# Altium PCB AEX1_PiOBD_V0.2_ALLPCB_6L.PcbDoc (part 3 of 4)
Units mm, origin at the board's own origin, x right, y up, seen from the top; angles counter-clockwise.
Board outline 130.5 x 65 mm, 6 copper layers (L1, L2(GND), L3, L4(PWR), L5(GND), L6), stack 1.565 mm thick; 307 components, 207 nets, 1196 pads, 423 vias.
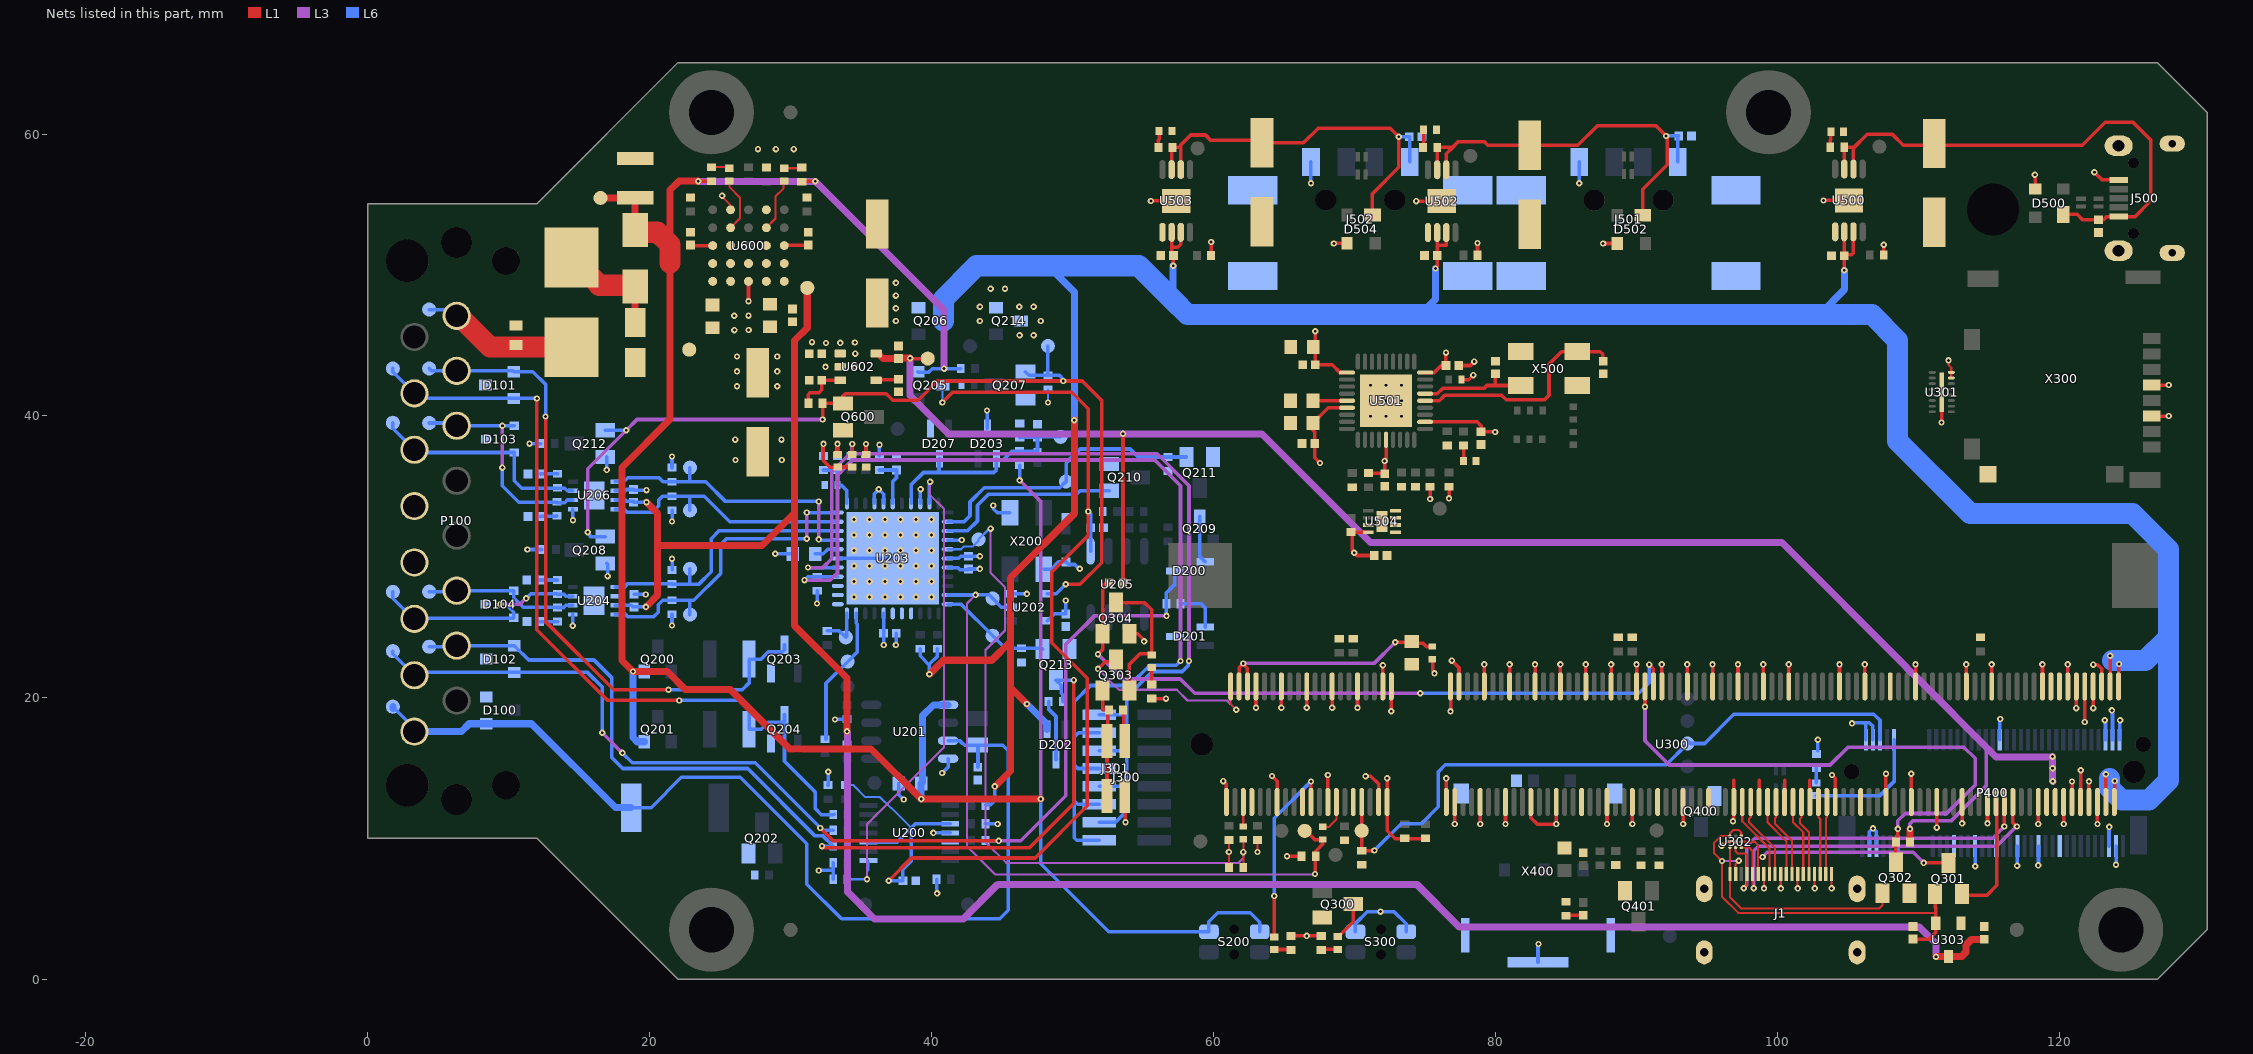
[diagram p7: the nets of this part, all layers, seen from the top]

## Part data (continued)
U501: library part CMP-06097-6, "The USB2534 is a low-power, OEM configurable, MTT (Multi-Transaction Translator) USB 2.0 hub controller with 4 downstream ports and advanced features for embedded USB applications.", Case=SQFN, Manufacturer=MICROCHIP, Manufacturer Part Number=USB2534, Operating Temperature max=85°C, Operating Temperature min=-40°C, Supply Voltage max=3.3V, Assembly=yes, ComponentLink1Description="Manufacturer Link", ComponentLink1URL=https://www.microchip.com/wwwproducts/en/USB2534, Data Rate max=-, Interface Type=HUB-IC, Mounting Type=SMT, No. of USB Ports=4, Supply Voltage min=3.3V, USB Speed Modes=480Mb/s, USB Version=2.0
U504: library part CMP-06143-4, "The AT24C04B/08B provides 4096/8192 bits of serial electrically erasable and programmable read-only memory (EEPROM) organized as 512/1024 words of 8 bits each.", Case=8Y6, Clock Frequency max=1MHz, Manufacturer=MICROCHIP, Manufacturer Part Number=AT24C08C, Operating Temperature max=125°C, Operating Temperature min=-55°C, Supply Voltage max=5.5V, Supply Voltage min=4.5V, Assembly=yes, ComponentLink1Description=Datasheet, ComponentLink1URL=http://ww1.microchip.com/downloads/en/devicedoc/doc5226.pdf, Memory Configuration="512/1024 words of 8 bits", Memory Size="8192 bits", Mounting Type=SMT
U600: library part CMP-2000-06613-1, "Dual Ultrathin Step-Down DC/DC uModule Regulator, 2.5 A, 3.6 to 20 V, -40 to 125 degC, 25-Pin LGA, RoHS, Tray", Current - Output (Max)=2.5A, Manufacturer=LinearTechnology, Operating Temperature=-40°C~125°C, Package / Case=25-LGA, Package Description="25-Pin LGA, Body 6.25 x 6.25 mm, Pitch 1.27 mm", Package Reference=LGA-25, Package Version="Rev. 0, 06/2013", Power (Watts) - Manufacture Series=-, Voltage - Input (Max)=20V, Voltage - Input (Min)=3.6V, Voltage - Output 1=0.6~5.5V, Applications=ITE(Commercial), Category=PowerSupplies-BoardMount, Datasheet URL=http://cds.linear.com/docs/en/datasheet/4622fb.pdf, Datasheet Version="Rev. B, 01/2016", Efficiency=-, Family=DCDCConverters, Features=OCP,OTP,OVP, Manufacturer URL=http://www.linear.com/, Mounting Technology=SurfaceMount, Mounting Type=SurfaceMount, Number of Outputs=1, Package URL=http://www.linear.com/docs/43379, Packaging=Tray, Power (Watts) - Max=-, Series=µModule®, Size / Dimension="0.25\"Lx0.25\"Wx0.07\"H(6.3mmx6.3mmx1.8mm)", Type=Non-IsolatedPoLModule, Voltage - Isolation=-, Voltage - Output 2=-, Voltage - Output 3=-
U602: library part CMP-0395-00289-2, "Single Output Low Noise LDO, 400 mA, Fixed 1.8 V Output, 1.7 to 5.5 V Input, with Reverse Current Protection, 5-pin SOT-23 (DBV), -40 to 85 degC, Green (RoHS & no Sb/Br)", Manufacturer="Texas Instruments", Rating=Catalog, Accuracy(%)=1, Code_JEDEC=MO-178, ComponentLink1Description="Manufacturer URL", ComponentLink1URL=http://www.ti.com/, ComponentLink2Description=Datasheet, ComponentLink2URL=http://www.ti.com/general/docs/lit/getliterature.tsp?genericPartNumber=TPS73618&fileType=pdf, ComponentLink3Description="Package Specification", ComponentLink3URL=http://www.ti.com/litv/pdf/mpds018i, ComponentLink4Description="URL Link1", ComponentLink4URL="Samples URL:http://www.ti.com/product/tps73618#samples", DatasheetVersion=SBVS038T, Eco-Plan="Green (RoHS & no Sb/Br)", Fixed Output Options(V)=1.8, Iout(Max)(A)=0.4, Iq(Typ)(mA)=0.3, Mounting Technology="Surface Mount", PackageDescription="5-Pin Plastic Small Outline, Body 1.60 Ã— 2.90 mm, Pitch 0.95 mm", PackageReference=DBV0005A, PackageVersion=4073253-4/K, PartNumber=TPS73618DBVR, SubFamily="Single Channel LDO", Vdo(Typ)(mV)=75, Vin(Max)(V)=5.5, Vin(Min)(V)=1.7, Vout Adj(Max)(V)=1.8, Vout Adj(Min)(V)=1.8
X200: library part CMP-1688-00003-1, "Ceramic SMD Crystal, 16 MHz, +/- 20 ppm, 50 Ohm, -20 to 70 degC, 4-Pin SMD, RoHS, Tape and Reel", Case/Package=5028, Current Rating="1.82 A", Max Operating Temperature=105degC, Min Operating Temperature=-40degC, Package Quantity=500, Resistance="0.033 Ohm", Tolerance=30%, ComponentLink1Description="Manufacturer URL", ComponentLink1URL=http://www.abracon.com/, ComponentLink2Description=Datasheet, ComponentLink2URL=http://www.abracon.com/Resonators/abm3b.pdf, DatasheetVersion=Aug-15, Height="2.8 mm", Length="0.197 inch", Mount="Surface Mount", PackageDescription="4-Pin Surface Mount Device, Body 5 x 3.2 mm", PackageReference=ABM3B, Packaging="Tape and Reel", REACH SVHC=Unknown, RoHSCompliant=True, Shielding=Shielded, Width="0.197 inch"
X300: library part CMP-00377-6, "1.09mm Pitch, microSD Memory Card Connector, Ultra Low-Profile, Push-Push Type, 1.45mm Height, Anti-card fly-out", Case="microSD Card Connector", Current Rating=500mA, Manufacturer=MOLEX, Manufacturer Part Number=503182-1853, Operating Temperature max=85°C, Operating Temperature min=-25°C, Assembly=yes, ComponentLink1Description=Datasheet, ComponentLink1URL=http://www.deutsch.molex.com/molex/products/datasheet.jsp?part=active/5031821853_MEMORY_CARD_SOCKET.xml, Contact Plating=gold, Memory Type="microSD Card", Mounting Type=SMT, Number of Pins=8, Number of Rows=1, Pitch Spacing=1.09mm
X400: library part CMP-06150-6, "SIM-Kartenleser aufklappbar und sperrfähig", Case=SIM-Kartenhalter, Current Rating=700mA, Manufacturer=JST, Manufacturer Part Number=SCZW-7SA-1K(HF), Operating Temperature max=85°C, Operating Temperature min=-25°C, Assembly=yes, ComponentLink1Description=Datasheet, ComponentLink1URL=http://www.farnell.com/datasheets/2280558.pdf, Memory Type=SIM, Mounting Type=SMT, Number of Pins=11, Number of Rows=5, Pitch Spacing=0mm
X500: library part CMP-1688-00008-1, "Ceramic SMD Crystal, 24 MHz, +/- 20 ppm, 50 Ohm, -20 to 70 degC, 4-Pin SMD, RoHS, Tape and Reel", Frequency="6 Hz", Max Operating Temperature="155 degC", Min Operating Temperature="-40 degC", Package Quantity=2500, ComponentLink1Description="Manufacturer URL", ComponentLink1URL=http://www.abracon.com/, ComponentLink2Description=Datasheet, ComponentLink2URL=http://www.abracon.com/Resonators/abm3b.pdf, Contact Material=Brass, Contact Plating=Gold, DatasheetVersion=Aug-15, Fastening Type=Snap, Height="1.244 mm", Impedance="50 Ohm", Length="2.6 mm", Mating Cycles=30, Mount="Surface Mount", PackageDescription="4-Pin Surface Mount Device, Body 5 x 3.2 mm", PackageReference=ABM3B, Packaging="Tape and Reel", Radiation Hardening=No, REACH SVHC=Unknown, RoHSCompliant=true, Weight="0.001058 oz", Width="3 mm"

## Free pads (board coordinates)
  rect 4.5x4.6 smd: 19(59.074,28.668) 19(126.003,28.668)
  round 6 hole 3.2: M(24.388,3.542) M(24.388,61.542) M(99.388,61.542) M(124.388,3.542)

## Via types
v1: diameter 0.45, hole 0.2, L1 to L6, tented both sides, 378 vias
v2: diameter 0.5, hole 0.2, L1 to L6, tented both sides, 45 vias

## Nets (pads, with @x,y where several pads share a name; then routed paths per layer and width w, separated by ;. In a path a pad name is that pad's centre, name@x,y a point inside that pad or via, vN(x,y) a via of type N, cw(c..) or ccw(c..) an arc to the next point about the centre after c; other vN are vias at no path point)
1.8V: C613.2 R312.2 R320.2 TP604.1 U300.183 U300.184 U300.185 U300.186 U602.5 | length 121.1
  L1 w0.25: v1@38.506,44.069 TP604.1@39.733,44.069 ; R312.2@53.586,28.135 v1(53.586,38.735)
  L1 w0.5: U602.5@36.073,44.43 36.198,44.43 36.559,44.069 C613.2@37.663,44.069 37.688,44.094 v1(38.481,44.094) ; v1(109.423,10.7) 109.427,10.697 R320.2@109.427,9.775
  L3 w0.25: v1(109.423,10.7) 109.423,11.064 109.65,11.292 112.375,11.292 114.823,13.74 114.823,16.524
  L3 w0.5: v1(38.481,44.094) 38.481,41.448 41.212,38.717 63.441,38.717 71.152,31.007 100.341,31.007 109.194,22.154 109.194,22.113 109.56,21.747 109.601,21.747 115.537,15.811 119.519,15.811 v1(119.532,15.824) 119.532,15.034 119.546,15.02 v1(119.546,14.997) 119.546,14.088 v1(119.558,14.076)
3.3V: C202.2 C203.2 C207.2 C609.2 C610.1 C611.2 D203.3 D204.A D205.A Q214.2 R200.1 R204.2 R216.2 R217.2 R220.2 R221.2 R222.2 R223.2 R224.2 R229.2 R234.2 R238.2 R242.2 R244.2 R251.2 R252.2 R300.2 R301.2 R308.1 R309.1 S300.1 S300.2 TP603.1 U202.5 U203.28 U203.40 U204.5 U206.5 U600.A1 U600.B1 U602.1 | length 37.4
  L1 w0.15: R300.2@61.1,9.914 v1(61.1,9.063) 61.116,9.047 R252.2@61.116,7.962 ; v1(63.132,9.063) R301.2@63.132,9.914
  L1 w0.254: C611.2@32.221,44.413 C611.2@32.23,44.422 ; v1(32.331,38.019) 32.331,36.83 32.788,36.373 ; 32.789,36.373 D204.A@33.332,36.373 D205.A@34.382,36.374 ; U602.1@33.514,44.422 U602.1@33.523,44.43 ; v1(65.227,8.755) R251.2@66.259,8.755 ; R309.1@65.507,3.104 66.621,3.104 v1(66.624,3.107) 66.627,3.104 R308.1@67.653,3.104
  L6 w0.15: v1(48.26,40.952) R217.2@48.26,41.879
  L6 w0.25: v1(32.001,7.751) 32.985,7.751 33.028,7.708 ; R204.2@33.028,7.123 33.028,7.708 ; R234.2@33.028,8.293 33.028,7.708 ; S300.2@70.082,3.403 70.082,3.989 70.92,4.828 v1(71.852,4.828) 72.814,4.828 73.682,3.96 S300.1@73.682,3.403
  L6 w0.254: v1(11.328,30.522) R216.2@12.352,30.522 ; v1(11.474,38.036) R229.2@12.266,38.036 ; v1(14.548,25.118) U204.5@14.548,25.91 ; v1(14.558,32.592) U206.5@14.558,33.385 ; v1(21.59,25.133) R224.2@21.59,25.925 ; R222.2@21.59,29.072 v1(21.59,29.864) ; v1(21.59,32.511) R223.2@21.59,33.303 ; R221.2@21.59,36.335 v1(21.59,37.127) ; v1(31.874,26.692) 31.898,26.716 R220.2@31.898,27.592 ; R238.2@32.331,37.165 v1(32.331,38.019) ; v1(33.156,18.465) 33.969,18.465 R200.1@34,18.497 ; R242.2@36.306,37.165 36.306,37.95 v1(36.31,37.953) ; U203.40@36.6,25.992 C202.2@36.6,24.586 36.6,23.762 v1(36.616,23.746) ; R244.2@40.362,7.125 40.379,7.108 40.379,6.143 v1(40.396,6.125) ; U203.28@41.15,29.892 41.92,29.892 42.069,30.041 C207.2@42.618,30.041 43.431,30.041 v1(43.434,30.043) ; v1(43.942,40.386) 43.95,40.378 43.95,39.126 D203.3@43.958,39.118 ; U202.5@48.225,25.475 48.701,25.951 C203.2@49.53,25.951 v1(49.53,26.901)
  other v1: 26.204,42.108 29.059,42.108 26.204,43.162 29.059,43.162 26.204,44.216 29.059,44.216 34.585,44.422 32.512,45.17 33.528,45.181 34.565,45.212 43.434,46.736 43.434,47.752 44.196,49.022 45.212,49.022
3.3V_SW: C510.1 C511.1 C512.2 C516.1 C517.1 C518.1 C519.2 C520.1 J301.2 JP302.2 P400.2 P400.4 P400.70 P400.72 P400.74 Q214.3 R306.1 R307.1 R310.2 R400.2 R500.1 R501.1 R502.1 R504.1 R512.2 R513.2 R514.2 U300.39 U300.40 U300.41 U300.42 U300.189 U300.190 U300.191 U300.192 U300.193 U300.194 U301.15 U301.16 U501.10 U501.15 U501.23 U501.29 U501.36 U504.8 X300.4 | length 70.1
  L1 w0.15: v1(112.156,43.942) 112.156,43.629 112.355,43.43 U301.16@112.355,43.09 U301.15@112.355,42.69
  L1 w0.25: C519.2@67.231,44.893 C516.1@67.231,43.624 68.436,43.624 68.98,43.079 U501.10@69.475,43.079 ; C519.2@67.232,44.893 v1(67.232,46.009) ; R513.2@69.769,31.761 U504.8@70.989,31.761 ; v1@72.152,36.916 72.16,36.925 72.25,37.014 U501.23@72.25,38.304 ; U300.39@72.325,12.607 v1(72.325,14.293) ; v1(72.625,19.045) U300.40@72.625,20.807 ; U501.36@75.025,43.079 75.671,43.079 76.171,43.579 C517.1@76.5,43.579 v1(76.5,44.493) ; v1(75.375,34.101) R514.2@75.375,34.979 ; U300.41@76.525,12.607 v1(76.525,14.283) ; v1(76.723,34.149) R504.1@76.723,34.979 ; v1(76.825,19.036) U300.42@76.825,20.807 ; R501.1@78.74,51.404 78.742,51.402 R501.1@78.756,51.388 ; U300.189@120.925,12.607 v1(120.925,14.064) ; v1(121.225,19.266) U300.190@121.225,20.807 ; U300.191@121.525,12.607 121.539,12.621 v1(121.539,14.856) ; v1(121.825,18.285) U300.192@121.825,20.807 ; U300.193@122.125,12.607 v1(122.125,14.07) ; v1(122.425,19.266) U300.194@122.425,20.807 ; X300.4@126.58,42.19 v1(127.779,42.19)
  L1 w0.254: J301.2@53.721,13.036 53.76,12.997 v1(53.76,11.172) ; R310.2@55.626,19.944 v1(56.642,19.944) ; R500.1@59.838,51.391 v1(59.838,52.342) ; C512.2@67.07,39.494 68.155,40.579 U501.15@69.475,40.579 ; C512.2@67.07,39.748 67.056,39.734 67.056,38.998 67.191,38.862 C511.1@67.191,38.05 67.191,37.028 v1(67.564,36.655) ; R513.2@69.769,31.761 69.864,31.666 69.864,30.418 v1(69.991,30.292) 70.187,30.096 C520.1@71.422,30.096 ; R512.2@70.999,35.945 72.117,35.945 C510.1@72.16,35.902 v1@72.16,36.925 ; U300.39@72.325,12.607 72.325,10.569 72.898,9.996 R307.1@73.574,9.996 ; R307.1@73.574,10.037 R307.1@73.574,9.996 ; U501.29@75.025,39.579 75.027,39.577 78.725,39.577 78.994,39.309 C518.1@78.994,38.87 78.997,38.866 79.984,38.866 v1(79.987,38.862) ; R306.1@75.057,10.037 75.017,9.996 R307.1@73.574,9.996 ; JP302.2@75.526,22.742 75.556,22.742 75.556,21.869 v1(75.692,21.734) ; R501.1@78.742,51.402 v1(78.742,52.273) ; R502.1@107.564,51.427 v1(107.564,52.149)
  L6 w0.254: R400.2@102.888,16.25 v1(102.888,17.029) ; v1@105.296,18.227 106.172,18.227 ; P400.2@106.296,17.029 106.273,17.052 106.273,18.125 106.172,18.227 ; P400.4@106.796,17.029 106.796,17.977 106.546,18.227 106.172,18.227 ; v1(123.242,18.412) 123.296,18.357 P400.70@123.296,17.029 ; v1(123.752,19.11) 123.796,19.066 P400.72@123.796,17.029 ; P400.74@124.296,17.029 124.296,18.376 v1(124.332,18.412)
  other v1: 105.315,18.183 72.152,36.801 46.253,45.72 47.244,45.72 47.752,46.736 46.228,47.752 47.244,47.752
5V: C204.1 C210.1 C301.2 C602.2 C603.1 C604.2 Q206.2 R201.2 TP601.1 U204.3 U206.3 U303.3 U600.D1 U600.E1 | length 154.9
  L1 w0.5: v1(19.735,26.451) 19.738,26.451 20.574,27.288 20.574,30.817 ; v1(19.782,33.879) 20.574,33.088 20.574,30.817 ; TP601.1@31.184,49.087 31.184,46.243 30.28,45.339 30.28,33.116 ; v1(33.998,17.617) 33.998,21.399 30.28,25.117 30.28,33.116 ; v1(111.271,1.631) 113.07,1.631 113.386,1.946 113.386,2.444 113.809,2.867 C301.2@114.691,2.867 ; 20.574,30.817 27.981,30.817 30.28,33.116
  L3 w0.5: v1(33.998,17.617) 34.036,17.579 34.036,6.24 35.958,4.318 42.253,4.318 44.704,6.769 74.43,6.769 77.475,3.724 110.109,3.724 111.271,2.562 v1(111.271,1.631)
  L6 w0.25: U204.3@17.568,26.56 18.708,26.56 18.816,26.451 v1(19.735,26.451) ; C210.1@18.862,33.879 v1(19.782,33.879) ; v1(33.998,17.617) 33.998,16.695 R201.2@34.007,16.687
  L6 w0.254: U206.3@17.578,34.035 18.255,34.035 18.35,33.94 C210.1@18.862,33.94
  other v1: 37.47,46.736 37.47,47.637 37.47,48.539 37.47,49.44
5V_SW: C504.2 C508.2 C515.2 D202.1 Q206.3 R213.2 R214.2 R243.2 U300.197 U300.198 U300.199 U300.200 U500.2 U500.3 U502.2 U502.3 U503.2 U503.3 | length 215.3
  L1 w0.25: U503.2@57.038,53.029 57.038,52.105 ; v1(57.15,50.654) 57.15,51.373 C515.2@57.168,51.391 57.038,51.521 57.038,52.105 ; U503.3@57.688,53.029 57.688,52.193 57.47,51.975 57.168,51.975 57.038,52.105 ; v1(75.759,50.462) 75.886,50.589 C508.2@75.886,51.381 75.875,51.392 75.875,52.112 ; U502.2@75.875,53.017 75.875,52.112 ; U502.3@76.525,53.017 76.512,53.004 76.512,52.112 75.875,52.112 ; v1(104.764,50.334) C504.2@104.764,51.374 ; C504.2@104.764,51.44 U500.2@104.764,53.065 ; C504.2@104.775,51.429 105.281,51.429 105.401,51.549 105.401,53.052 U500.3@105.414,53.065 ; U300.197@123.325,12.607 v1(123.324,14.571) ; U300.198@123.625,20.807 v1(123.624,22.984) ; U300.199@123.925,12.607 123.952,12.634 v1(123.952,14.094) ; U300.200@124.225,20.807 124.225,22.358 v1(124.261,22.394)
  L1 w0.5: v1(39.85,21.675) 40.838,22.663 44.271,22.663 45.593,23.985 ; v1(44.492,13.716) 45.593,14.817 45.593,20.729 ; v1(46.764,19.558) 45.593,20.729 ; v1(50.13,39.695) 50.13,33.061 45.593,28.524 45.593,23.985 ; 45.593,20.729 45.593,23.985
  L6 w0.25: R213.2@39.2,23.476 39.2,22.972 39.85,22.322 ; v1(39.85,21.675) 39.85,22.322 ; R214.2@40.422,23.476 40.422,22.942 39.85,22.37 39.85,22.322 ; R243.2@43.832,12.364 43.832,12.414 44.196,12.414 44.492,12.71 v1(44.492,13.716)
  L6 w0.5: v1(46.764,19.558) v1(46.764,19.558) 48.184,18.137 D202.1@48.184,17.762 ; 48.26,50.654 50.13,48.784 v1(50.13,39.695) ; 57.15,48.208 v1(57.15,50.654) ; 74.676,47.192 75.759,48.275 v1(75.759,50.462) ; 103,47.192 104.764,48.956 v1(104.764,50.334)
  L6 w1.5: Q206.3@40.847,46.736 40.847,48.3 43.201,50.654 48.26,50.654 54.703,50.654 57.15,48.208 58.166,47.192 74.676,47.192 103,47.192 106.718,47.192 108.546,45.363 108.546,38.221 113.699,33.069 125.225,33.069 127.762,30.532 127.762,24.292 ; 123.575,14.266 123.575,13.595 124.425,12.745 126.377,12.745 127.762,14.13 127.762,24.292 ; 123.793,22.648 126.118,22.648 127.762,24.292
\PWR_SAVE: Q207.G Q208.G Q212.G Q600.G R217.1 R605.2 TP209.1 U202.4 | length 69.6
  L1 w0.254: v1(32.274,39.748) 32.273,39.75 32.273,40.897 R605.2@32.271,40.898 33.703,40.898 Q600.G@33.719,40.883 33.719,41.427 33.873,41.581 36.779,41.581 37.239,41.122 39.056,41.122 40.41,42.476 v1(49.347,42.476) 50.693,42.476 52.07,41.098 52.07,29.587 50.538,28.056 v1(49.53,28.056)
  L3 w0.254: v1(15.613,31.75) 15.613,36.26 v1(18.339,38.986) 19.1,39.748 v1(32.274,39.748)
  L6 w0.254: 15.777,31.533 15.777,31.435 Q208.G@16.858,31.435 ; Q212.G@16.858,38.986 v1(18.339,38.986) ; Q207.G@46.661,43.14 46.922,42.879 R217.1@48.26,42.879 ; U202.4@48.225,27.375 48.849,27.375 v1(49.53,28.056) ; TP209.1@48.26,44.958 R217.1@48.26,42.879 ; v1(49.347,42.476) 49.347,42.61 49.077,42.879 R217.1@48.26,42.879
ANALOG_IN: C216.2 D203.1 D207.3 R247.1 R248.1 R250.2 TP216.1 U203.19 | length 16.8
  L6 w0.254: U203.19@38.55,33.792 38.55,35.108 39.426,35.984 40.382,35.984 ; D207.3@40.566,36.956 40.53,36.919 40.53,36.131 40.382,35.984 ; D203.1@44.608,36.968 D203.1@44.608,36.966 ; R250.2@46.256,38.462 46.281,38.487 47.493,38.487 C216.2@47.518,38.512 ; TP216.1@49.148,38.512 C216.2@47.518,38.512 ; 40.382,35.984 44.422,35.984 44.608,36.17 D203.1@44.608,36.966 ; D203.1@44.608,36.966 44.731,36.843 45.063,36.843 45.726,37.506 R248.1@46.253,37.506 47.518,37.506 C216.2@47.518,38.512
CLK_N: J1.12 U300.111 | length 5.9
  L1 w0.15: U300.111@97.525,12.607 97.525,11.233 99.454,9.304 J1.12@99.454,7.49
CLK_P: J1.11 U300.113 | length 5.9
  L1 w0.15: U300.113@98.125,12.607 98.125,11.532 98.002,11.409 98.002,11.18 99.854,9.328 J1.11@99.854,7.49
D0_N: J1.9 U300.117 | length 5.7
  L1 w0.15: U300.117@99.325,12.607 99.325,11.153 100.654,9.823 J1.9@100.654,7.49
D0_P: J1.8 U300.119 | length 5.6
  L1 w0.15: U300.119@99.925,12.607 99.925,11.532 99.85,11.457 99.85,11.052 101.054,9.847 J1.8@101.054,7.49
D1_N: J1.6 U300.123 | length 5.4
  L1 w0.15: U300.123@101.125,12.607 101.125,11.179 101.854,10.449 J1.6@101.854,7.49
D1_P: J1.5 U300.125 | length 5.4
  L1 w0.15: U300.125@101.725,12.607 101.725,11.532 101.624,11.431 101.624,11.104 102.254,10.474 J1.5@102.254,7.49
D2_N: J1.3 U300.129 | length 5.2
  L1 w0.15: U300.129@102.925,12.607 102.925,11.532 103.054,11.402 J1.3@103.054,7.49
D2_P: J1.2 U300.131 | length 5.1
  L1 w0.15: J1.2@103.454,7.49 103.454,11.461 103.525,11.532 U300.131@103.525,12.607
DLC: C201.2 C601.2 D602.C Q200.2 Q201.2 Q205.2 R215.2 R248.2 R600.2 R601.2 S200.1 S200.2 TP600.1 U201.5 U600.A2 U600.B2 U600.B3 U600.D2 U600.D3 U600.E2 | length 171.9
  L1 w0.25: v1(23.448,56.65) R601.2@24.388,56.65 ; R600.2@30.79,56.622 30.823,56.589 30.884,56.65 v1(31.75,56.65)
  L1 w0.5: TP600.1@16.51,55.468 C601.2@18.989,55.468 18.971,55.45 D602.C@18.971,53.486 ; 21.444,50.851 21.444,39.76 18.034,36.351 18.034,22.646 v1(18.816,21.864) 21.258,21.864 22.548,20.574 25.744,20.574 29.938,16.38 35.712,16.38 v1(39.268,12.824) v1(47.752,12.824) ; 21.444,52.151 21.444,56.018 22.098,56.672 23.426,56.672 v1(23.448,56.65)
  L1 w1.5: D602.C@18.971,53.486 D602.C@18.971,53.186 18.971,53.179 19.121,53.029 20.565,53.029 21.444,52.151 21.444,50.851
  L3 w0.25: v1(46.253,35.428) 47.752,33.928 v1(47.752,12.824)
  L3 w0.5: v1(23.448,56.65) 23.456,56.642 31.758,56.642 40.894,47.506 v1(40.894,43.355)
  L6 w0.25: Q205.2@39.029,43.14 39.079,43.09 39.789,43.09 40.053,43.355 v1(40.894,43.355) R215.2@42.077,43.355 ; v1(46.253,35.428) R248.2@46.253,36.506 ; v1(47.752,12.824) 47.752,8.222 52.572,3.403 S200.2@59.682,3.403 59.682,4.115 60.31,4.744 62.626,4.744 63.282,4.088 S200.1@63.282,3.403
  L6 w0.5: Q201.2@19.624,16.882 19.11,16.882 18.816,17.176 v1(18.816,21.864) Q200.2@19.624,21.864 ; v1(39.268,12.824) 39.268,13.906 C201.2@39.281,13.919 39.363,14.001 39.363,18.73 40.13,19.497 U201.5@41.175,19.497
DLC_RAW: C600.2 F1.1 P100.16 TP100.1 | length 11.5
  L1 w1.5: P100.16@6.311,47.115 6.447,47.115 8.683,44.879 13.878,44.879 14.168,45.169 F1.1@14.458,44.879
  L6 w0.25: TP100.1@4.356,47.549 5.864,47.549 P100.16@6.311,47.101
DLC_SW: C208.2 C217.2 Q205.3 R205.1 U200.3 U200.10 U205.1 | length 79.1
  L1 w0.254: v1(36.972,7.023) 38.586,8.636 47.352,8.636 51.054,12.338 51.054,21.39 48.534,23.91 48.534,28.929 51.121,31.516 v1(51.121,33.215) 51.121,40.511 49.959,41.672 41.49,41.672 v1(40.77,40.952)
  L6 w0.15: R205.1@33.886,13.809 34.441,13.809 35.296,12.954 36.35,12.954 37.117,12.187 37.147,12.187 38.566,10.768 ; v1(40.77,40.952) 40.77,42.161 Q205.3@40.799,42.19
  L6 w0.254: U200.3@35.523,9.764 36.97,9.764 ; v1@36.97,7.025 v1(36.972,7.023) C217.2@37.973,7.023 37.973,7.83 38.566,8.423 38.566,10.768 ; 36.972,9.766 36.97,9.764 ; U200.10@41.323,11.064 38.862,11.064 38.566,10.768 ; v1(51.121,33.215) 51.296,33.039 C208.2@51.296,32.065 51.284,32.053 U205.1@51.284,30.4 ; 36.97,9.764 37.562,9.764 38.566,10.768
EMMC_DISABLE_N: Q303.D U300.2 | length 14.4
  L1 w0.15: U300.2@61.225,20.807 61.225,19.551 v1(61.62,19.156)
  L1 w0.254: v1(51.816,22.054) 52.324,22.562 52.937,22.562 Q303.D@53.086,22.711
  L3 w0.15: v1(51.816,22.054) 53.296,20.574 57.404,20.574 58.166,19.812 60.964,19.812 v1(61.62,19.156)
EMMC_EN_N_1V8: Q304.G R312.1 U300.90 | length 49
  L1 w0.254: v1(51.816,23.085) 52.136,23.405 Q304.G@52.136,24.554 52.136,27.94 52.331,28.135 R312.1@52.586,28.135 ; v1(90.925,22.354) 91.207,22.073 91.207,20.825 U300.90@91.225,20.807
  L3 w0.254: v1(51.816,23.085) 53.565,21.336 57.658,21.336 58.674,20.32 v1(74.676,20.32)
  L6 w0.254: v1(74.676,20.32) 90.17,20.32 90.925,21.075 v1(90.925,22.354)
GND: C200.1 C201.1 C202.1 C203.1 C204.2 C205.1 C206.1 C207.1 C208.1 C209.1 C210.2 C211.1 C212.1 C213.2 C214.2 C215.2 C216.1 C217.1 C300.1 C301.1 C302.1 C401.1 C402.1 C501.2 C502.2 C503.2 C504.1 C505.2 C506.2 C507.2 C508.1 C509.2 C510.2 C511.2 C512.1 C513.1 C514.2 C515.1 C516.2 C517.2 C518.2 C519.1 C520.2 C600.1 C601.1 C602.1 C603.2 C604.1 C607.2 C608.2 C609.1 C610.2 C611.1 C612.1 C613.1 C614.2 D100.2 D101.3 D102.3 D103.3 D104.3 D201.3 D206.C D207.1 D500.3 D501.C D502.3 D503.C D504.3 D505.C D506.C D603.2 J1.1 J1.4 J1.7 J1.10 J1.13 J1.Shell J301.1 J500.5 J500.Shell J501.4 J501.Shell J502.4 J502.Shell JP200.1 JP201.1 MP1.1 P100.4 P100.5 P400.3 P400.5 P400.11 P400.27 P400.33 P400.39 P400.40 P400.45 P400.51 P400.57 P400.71 P400.73 Q202.S Q203.2 Q204.2 Q207.S Q208.S Q210.S Q211.S Q212.S Q213.S Q300.S Q302.S Q304.S Q400.S Q401.S Q600.S R209.2 R210.1 R230.1 R231.1 R245.1 R249.1 R250.1 R302.1 R303.1 R304.1 R305.1 R311.1 R314.1 R315.1 R316.1 R317.1 R318.1 R319.2 R402.1 R506.1 R511.1 R515.1 R516.1 R517.1 R602.1 R603.1 R604.1 U200.11 U200.12 U201.8 U202.3 U203.1 U203.2 U203.3 U203.6 U203.15 U203.16 U203.20 U203.26 U203.29 U203.37 U203.38 U203.39 U203.45 U204.2 U204.9 U206.2 U206.9 U300.1 U300.7 U300.8 U300.13 U300.14 U300.19 U300.20 U300.25 U300.26 U300.31 U300.32 U300.37 U300.38 U300.43 U300.44 U300.49 U300.50 U300.55 U300.56 U300.61 U300.62 U300.67 U300.68 U300.73 U300.74 U300.79 U300.80 U300.85 U300.86 U300.91 U300.92 U300.97 U300.98 U300.103 U300.104 U300.109 U300.110 U300.115 U300.116 U300.121 U300.122 U300.127 U300.133 U300.134 U300.139 U300.140 U300.145 U300.146 U300.151 U300.152 U300.157 U300.163 U300.164 U300.169 U300.170 U300.181 U300.182 U300.187 U300.188 U300.195 U300.196 U301.17 U302.B2 U302.C2 U303.1 U500.1 U500.9 U501.37 U502.1 U502.9 U503.1 U503.9 U504.1 U504.2 U504.3 U504.4 U504.7 U504.9 U600.B5 U600.C1 U600.C2 U600.D5 U602.2 X200.2 X200.4 X300.6 X300.10 X400.6 X400.7 X500.2 X500.4 | length 162.9
  L1 w0.15: v1(25.146,55.626) 25.146,55.552 25.744,54.954 ; U600.B5@25.744,54.626 U600.B5@25.744,54.7 ; v1(96.063,9.5) 96.349,9.785 U302.C2@96.654,9.785 U302.B2@97.054,9.785 ; v1@99.054,6.489 J1.13@99.054,7.49 ; J1.10@100.254,7.49 100.254,6.489 v1(100.264,6.479) ; v1@101.454,6.489 J1.7@101.454,7.49 ; v1@102.654,6.489 J1.4@102.654,7.49 ; J1.1@103.854,7.49 103.854,6.489 v1(103.864,6.479)
  L1 w0.25: v1@19.711,27.346 v1(19.73,27.327) ; R506.1@77.6,42.579 78.121,42.579 v1(78.439,42.897) ; v1(113.125,11.092) U300.163@113.125,12.607 ; v1(114.925,11.092) U300.169@114.925,12.607
  L1 w0.254: v1(27.014,48.133) U600.C1@27.014,49.546 ; R311.1@53.586,19.126 53.653,19.059 53.653,17.003 J301.1@53.721,16.936 ; Q304.S@54.036,24.554 54.627,24.554 55.093,24.088 55.084,24.08 v1(55.084,24.003) ; v1(55.563,55.254) U503.9@57.363,55.254 ; v1(60.706,14.088) 60.925,13.869 U300.1@60.925,12.607 ; v1(63.025,19.3) U300.8@63.025,20.807 ; v1(64.159,14.456) 64.525,14.09 U300.13@64.525,12.607 ; v1(64.825,19.3) U300.14@64.825,20.807 ; v1(66.625,19.3) U300.20@66.625,20.807 ; U300.25@68.125,12.607 v1(68.125,14.524) ; v1(68.425,19.3) U300.26@68.425,20.807 ; v1(68.549,52.237) 68.567,52.255 D504.3@69.485,52.255 ; v1(70.225,19.3) U300.32@70.225,20.807 ; v1(70.8,14.437) 71.174,14.437 71.725,13.886 U300.37@71.725,12.607 ; U300.38@72.025,20.807 v1(72.025,22.314) ; v1(74.4,55.242) U502.9@76.2,55.242 ; v1(76.924,22.636) 77.425,22.135 U300.44@77.425,20.807 ; U300.43@77.125,12.607 77.125,11.048 v1(77.131,11.042) ; C517.2@77.4,43.579 78.236,43.579 v1(78.511,43.854) ; v1@78.925,11.048 U300.49@78.925,12.607 ; U300.50@79.225,20.807 v1@79.225,22.366 ; v1@80.725,11.048 U300.55@80.725,12.607 ; U300.56@81.025,20.807 v1@81.025,22.366 ; U300.61@82.525,12.607 82.525,11.486 82.969,11.042 v1(84.331,11.042) ; U300.62@82.825,20.807 v1@82.825,22.366 ; v1@84.325,11.048 U300.67@84.325,12.607 ; U300.68@84.625,20.807 v1@84.625,22.366 ; U300.74@86.425,20.807 v1@86.425,22.366 ; v1(87.655,52.237) D502.3@88.662,52.237 ; v1@87.925,11.048 U300.79@87.925,12.607 ; U300.80@88.225,20.807 v1@88.225,22.366 ; v1@89.725,11.048 U300.85@89.725,12.607 ; U300.86@90.025,20.807 v1@90.025,22.366 ; U300.92@91.825,20.807 v1@91.825,22.366 ; v1@93.325,11.048 U300.97@93.325,12.607 ; U300.98@93.625,20.807 v1@93.625,22.366 ; U300.104@95.425,20.807 v1@95.425,22.366 ; v1(96.873,11.236) 96.925,11.288 U300.109@96.925,12.607 96.925,14.158 ; U300.110@97.225,20.807 v1@97.225,22.366 ; U300.115@98.725,12.607 98.725,14.158 ; U300.116@99.025,20.807 v1@99.025,22.366 ; U300.121@100.525,12.607 100.525,14.158 ; U300.122@100.825,20.807 v1@100.825,22.366 ; U300.127@102.325,12.607 102.325,14.158 ; v1(103.289,55.29) U500.9@105.089,55.29 ; v1(103.888,14.524) 104.125,14.287 U300.133@104.125,12.607 ; U300.134@104.425,20.807 v1@104.425,22.366 ; U300.140@106.225,20.807 v1@106.225,22.366 ; v1(107.719,14.607) 107.719,12.613 U300.145@107.725,12.607 ; v1(109.519,14.607) 109.519,12.613 U300.151@109.525,12.607 ; U300.152@109.825,20.807 v1@109.825,22.366 ; v1@111.325,10.807 U300.157@111.325,12.607 ; v1(111.661,39.533) 111.68,39.552 U301.17@111.68,41.69 ; U300.164@113.425,20.807 v1@113.425,22.366 ; U300.170@115.225,20.807 v1@115.225,22.366 ; v1(118.284,57.118) 118.306,57.096 D500.3@118.306,56.104 ; v1@118.525,11.048 U300.181@118.525,12.607 ; U300.182@118.825,20.807 v1@118.825,22.366 ; v1@120.325,11.048 U300.187@120.325,12.607 ; U300.188@120.625,20.807 v1@120.625,22.366 ; v1(122.428,22.354) 122.724,22.354 123.025,22.053 U300.196@123.025,20.807 ; v1(122.51,57.295) 123.06,56.745 J500.5@124.23,56.745 ; v1@122.725,11.048 U300.195@122.725,12.607 ; X300.6@126.58,39.99 v1(127.779,39.99)